# Altium PCB InsaneKeyboard.PcbDoc (part 4 of 4)
Units mil, origin at the board's own origin, x right, y up, seen from the top; angles counter-clockwise.
Board outline 7442.83 x 6333.68 mil, 4 copper layers (Top Layer, Int1 (GND), Int2 (GND), Bottom Layer), stack 60.6 mil thick; 288 components, 175 nets, 883 pads, 467 vias.
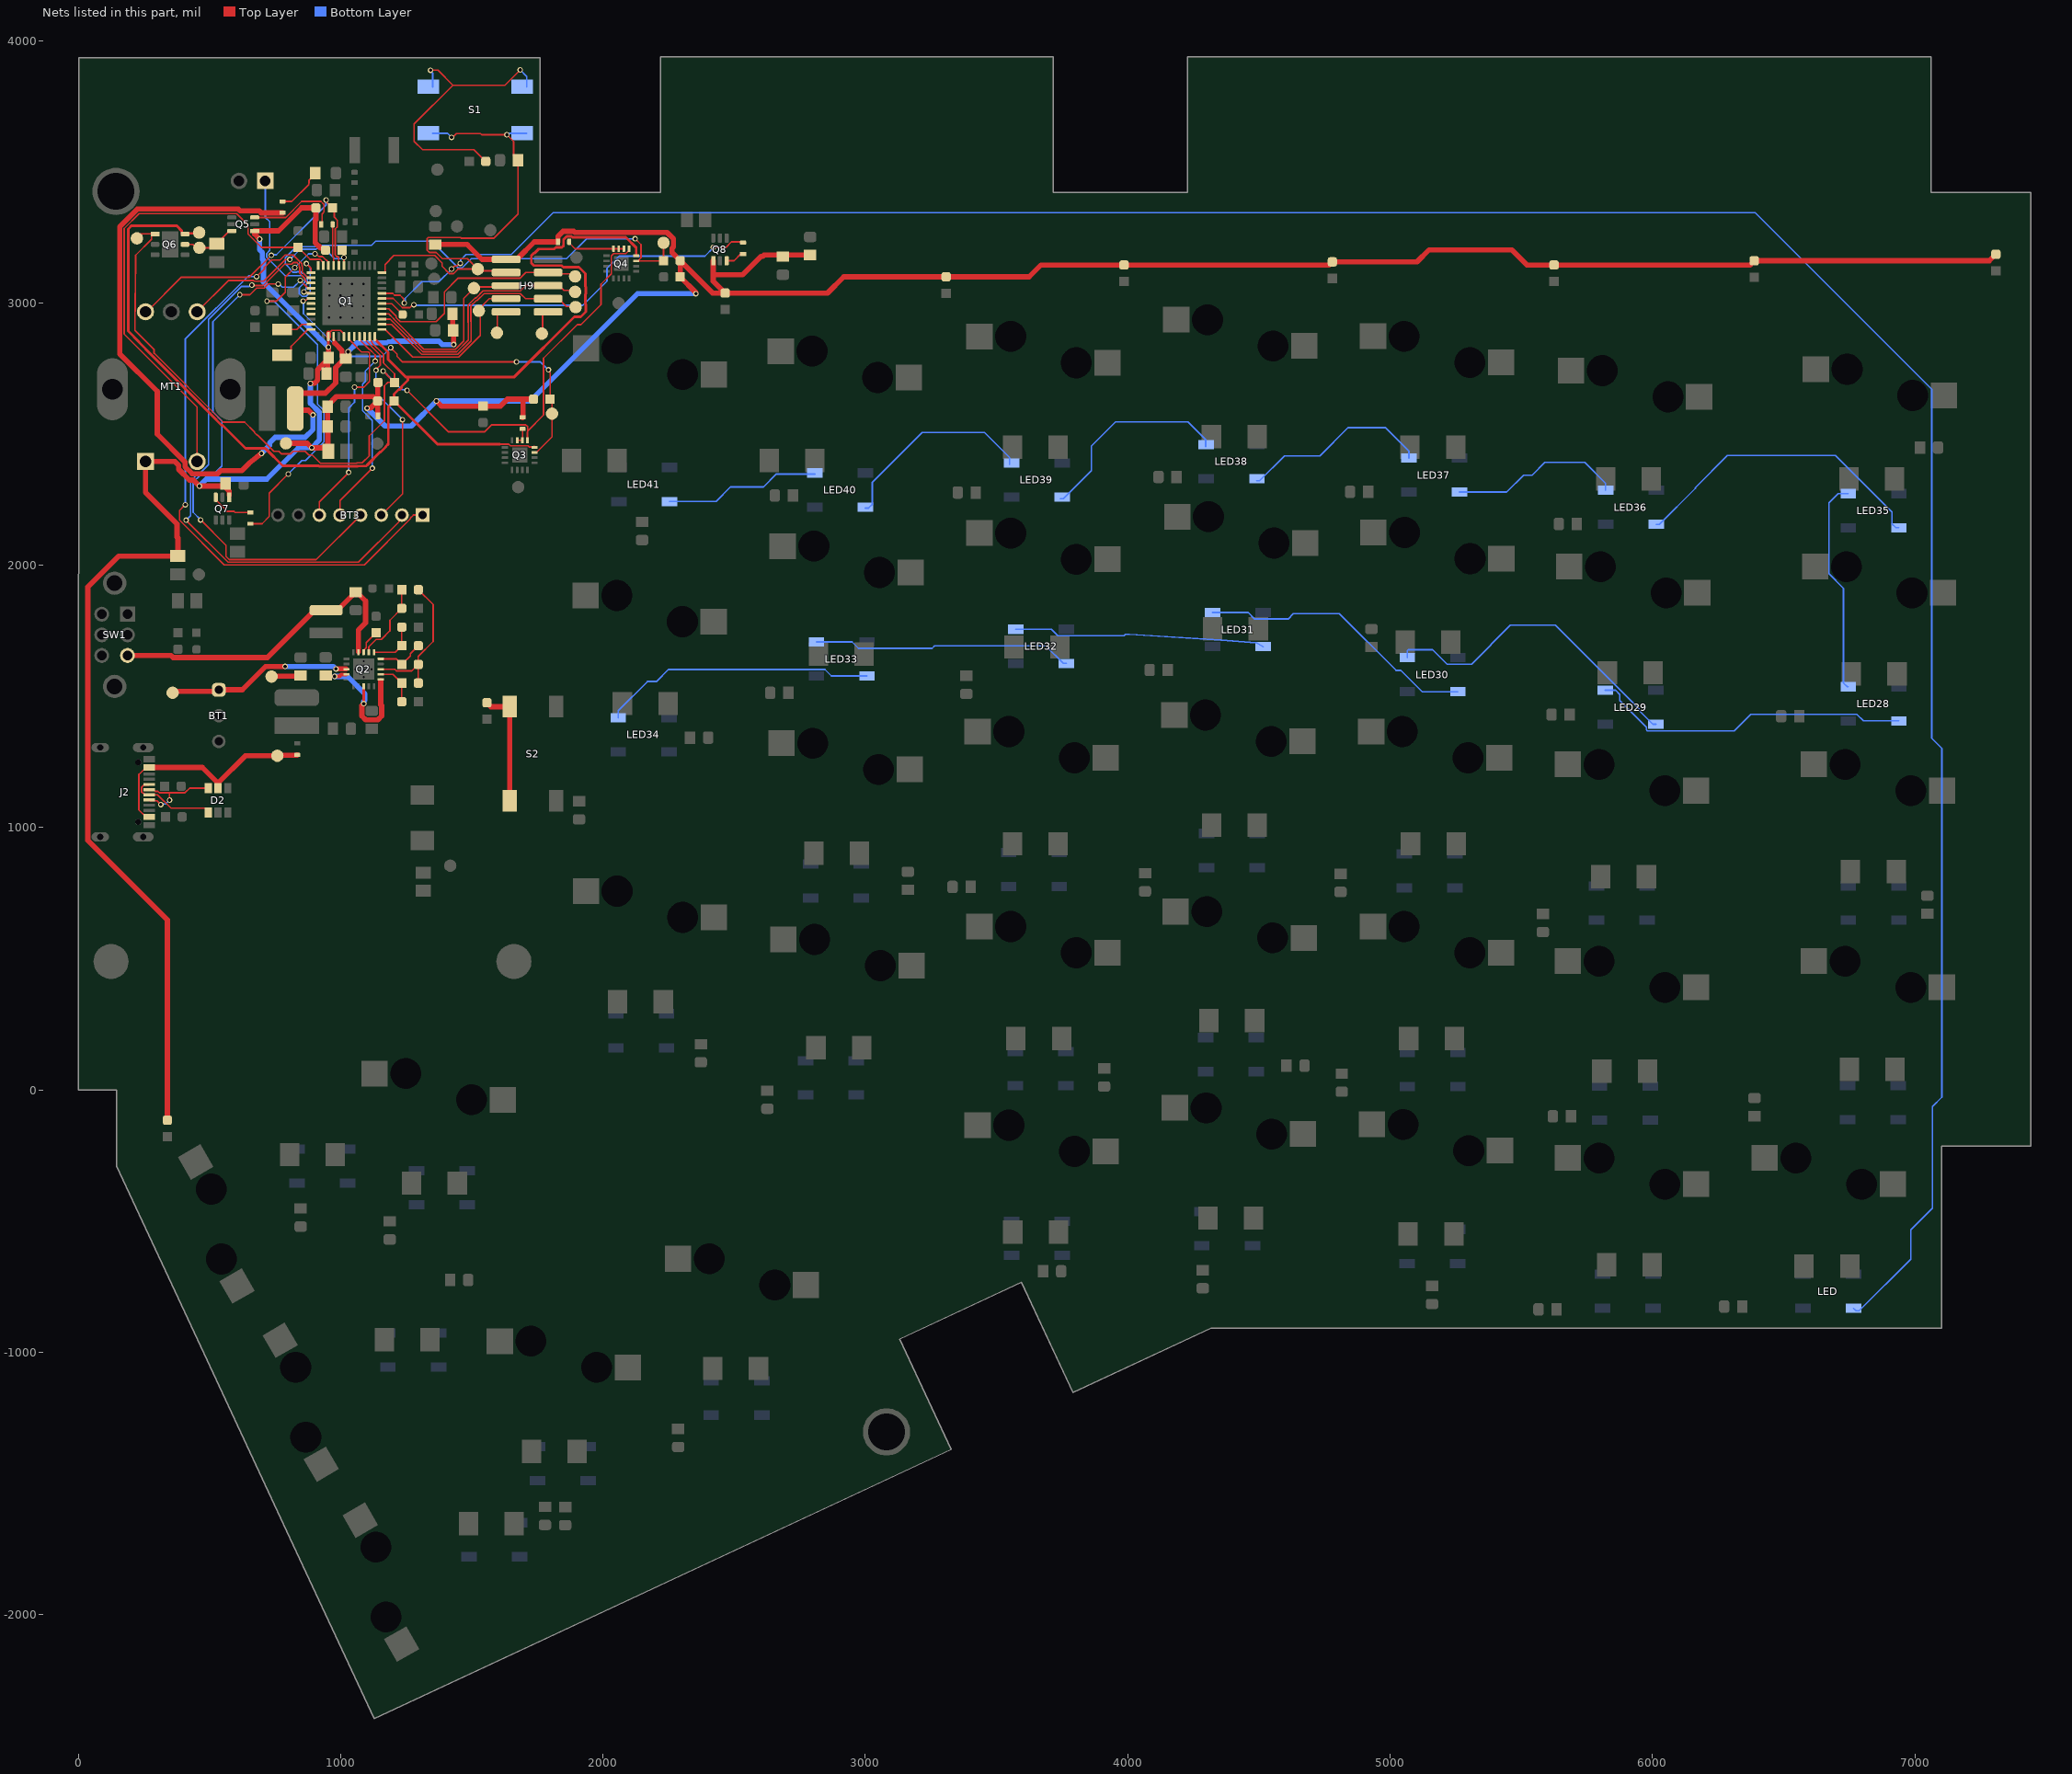
[diagram p6: the nets of this part, all layers, seen from the top]

## Via types
v1: diameter 21, hole 13, Top Layer to Bottom Layer, tented both sides, 292 vias
v2: diameter 21, hole 13, Top Layer to Bottom Layer, 174 vias
v3: diameter 23, hole 13, Top Layer to Bottom Layer, tented both sides, 1 vias

## Nets (pads, with @x,y where several pads share a name; then routed paths per layer and width w, separated by ;. In a path a pad name is that pad's centre, name@x,y a point inside that pad or via, vN(x,y) a via of type N, cw(c..) or ccw(c..) an arc to the next point about the centre after c; other vN are vias at no path point) (continued)
NetLED28_2-DOUT: LED28.2-DOUT LED35.4-DIN | length 821.8
  Bottom Layer w6: LED28.2-DOUT@6746.54,1536.96 6742.72,1536.96 6728,1551.68 6728,1912.58 6672.94,1967.64 6672.94,2237.89 6708.02,2272.96 LED35.4-DIN@6746.54,2272.96
NetLED28_4-DIN: LED28.4-DIN LED29.2-DOUT | length 1238.2
  Bottom Layer w6: LED29.2-DOUT@5820.54,1523.96 5859.07,1523.96 5875.52,1507.51 5875.52,1484.73 5976.93,1383.32 5976.93,1373.42 5981.03,1369.32 6312.24,1369.32 6374.68,1431.76 6778.97,1431.76 6803.69,1407.04 LED28.4-DIN@6939.46,1407.04
NetLED29_4-DIN: LED29.4-DIN LED30.2-DOUT | length 1220.1
  Bottom Layer w6: LED30.2-DOUT@5065.54,1647.96 5065.54,1674.68 5069.06,1678.19 5162.3,1678.19 5217.25,1623.24 5310.5,1623.24 5458.75,1771.5 5630.15,1771.5 5948.97,1452.68 5948.97,1446.71 6001.65,1394.04 LED29.4-DIN@6013.46,1394.04
NetLED30_4-DIN: LED30.4-DIN LED31.2-DOUT | length 1076.8
  Bottom Layer w6: LED31.2-DOUT@4323.54,1819.96 4459.31,1819.96 4484.03,1795.24 4611.5,1795.24 4631.75,1815.5 4806.92,1815.5 5023.18,1599.24 5041.48,1599.24 5122.69,1518.04 LED30.4-DIN@5258.46,1518.04
NetLED31_4-DIN: LED31.4-DIN LED32.2-DOUT | length 960.2
  Bottom Layer w6: LED32.2-DOUT@3573.54,1755.96 3709.31,1755.96 3734.03,1731.24 3986.5,1731.24 3991.75,1736.5 4006.25,1736.5 4355.97,1714.76 4489.93,1704.76 LED31.4-DIN@4516.46,1690.04
NetLED32_4-DIN: LED32.4-DIN LED33.2-DOUT | length 995.3
  Bottom Layer w6: LED33.2-DOUT@2813.54,1707.96 2949.31,1707.96 2974.03,1683.24 3254.5,1683.24 3264.75,1693.5 3687.19,1693.5 3754.65,1626.04 LED32.4-DIN@3766.46,1626.04
NetLED33_4-DIN: LED33.4-DIN LED34.2-DOUT | length 1049.9
  Bottom Layer w6: LED34.2-DOUT@2058.54,1418.96 2058.54,1445.68 2169.72,1556.86 2204.07,1556.86 2249.97,1602.76 2845.97,1602.76 2870.69,1578.04 LED33.4-DIN@3006.46,1578.04
NetLED35_2-DOUT: LED35.2-DOUT LED36.4-DIN | length 1176
  Bottom Layer w6: LED36.4-DIN@6014.46,2156.04 6026.27,2156.04 6163.52,2293.29 6163.52,2296.15 6286.05,2418.68 6696.97,2418.68 6912.93,2202.72 6912.93,2157.76 6927.65,2143.04 LED35.2-DOUT@6939.46,2143.04
NetLED36_2-DOUT: LED36.2-DOUT LED37.4-DIN | length 663.4
  Bottom Layer w6: LED37.4-DIN@5264.46,2279.04 5444.71,2279.04 5509.18,2343.5 5541.68,2343.5 5590.14,2391.96 5742.26,2391.96 5821.54,2312.68 LED36.2-DOUT@5821.54,2285.96
NetLED37_2-DOUT: LED37.2-DOUT LED38.4-DIN | length 728.8
  Bottom Layer w6: LED38.4-DIN@4490.46,2322.04 4502.27,2322.04 4597.27,2417.04 4732.54,2417.04 4840.46,2524.96 4982.26,2524.96 5071.54,2435.68 LED37.2-DOUT@5071.54,2408.96
NetLED38_2-DOUT: LED38.2-DOUT LED39.4-DIN | length 786.3
  Bottom Layer w6: LED39.4-DIN@3742.46,2254.04 3754.27,2254.04 3861.28,2361.05 3861.28,2454.67 3953.57,2546.96 4229.26,2546.96 4297.54,2478.68 LED38.2-DOUT@4297.54,2451.96
NetLED39_2-DOUT: LED39.2-DOUT LED40.4-DIN | length 783.6
  Bottom Layer w6: LED40.4-DIN@3000.46,2218.04 3012.27,2218.04 3026.98,2232.76 3026.98,2316.54 3216.41,2505.96 3454.26,2505.96 3549.54,2410.68 LED39.2-DOUT@3549.54,2383.96
NetLED40_2-DOUT: LED40.2-DOUT LED41.4-DIN | length 597.5
  Bottom Layer w6: LED41.4-DIN@2253.46,2243.04 2431.06,2243.04 2486.52,2298.5 2611.91,2298.5 2661.37,2347.96 LED40.2-DOUT@2807.54,2347.96
NetQ2_7: Q2.7 R11.1 R15.2 | length 165.4
  Top Layer w6: Q2.7@1152.96,1584.31 1200.17,1584.31 R11.1@1233.4,1551.08 R15.2@1233.4,1479.91
NetQ2_8: Q2.8 R2.2 R11.2 R12.2 | length 559.1
  Top Layer w6: Q2.8@1152.96,1604 1206.31,1604 1212.79,1597.53 1271.68,1597.53 R12.2@1296.39,1622.25 ; R11.2@1296.39,1551.08 R12.2@1296.39,1622.25 ; R2.2@1296.39,1906.91 1353,1850.31 1353,1709.87 1296.39,1653.27 R12.2@1296.39,1622.25
NetQ2_10: Q2.10 R12.1 R14.2 | length 186.5
  Top Layer w6: Q2.10@1152.96,1643.37 1212.28,1643.37 R12.1@1233.4,1622.25 1265.91,1654.76 1265.91,1662.93 R14.2@1296.39,1693.41
NetQ2_11: Q2.11 R14.1 R17.2 | length 187.3
  Top Layer w6: Q2.11@1127.37,1668.96 1208.95,1668.96 R14.1@1233.4,1693.41 R17.2@1233.4,1764.58
NetQ2_12: Q2.12 R2.1 R7.2 | length 301.7
  Top Layer w6: Q2.12@1107.68,1668.96 1107.68,1689.77 1135.7,1717.79 1155.62,1717.79 1188.17,1750.34 1188.17,1790.51 R7.2@1233.4,1835.74 R2.1@1233.4,1906.91
NetQ3_14: Q3.14 Q3.15 R27.2 | length 63.7
  Top Layer w6: Q3.15@1673.16,2476.5 Q3.14@1692.84,2476.5 1693.42,2477.08 1693.42,2519.42 R27.2@1694,2520
NetQ4_14: Q4.14 Q4.15 Q4.16 R28.2 | length 221.5
  Top Layer w6: R28.2@1871.65,3233 1871.65,3229.06 1894.22,3206.5 Q4.14@2079.84,3206.5
NetQ5_3: Q5.3 R29.1 | length 375.6
  Top Layer w6: Q5.3@672.31,3325.59 790.83,3325.59 851.95,3386.72 925.53,3386.72 937.22,3375.03 937.22,3346.57 929.35,3338.7 929.35,3302.91 929.35,3302 R29.1@926.35,3299
NetQ7_3: Q7.3 R333.1 | length 161.2
  Top Layer w6: Q7.3@524.41,2259.31 524.41,2249.46 568.09,2205.79 593.96,2205.79 598.09,2201.65 R333.1@656,2201.65
NetQ8_3: Q8.3 R37.1 | length 72.3
  Top Layer w6: Q8.3@2471.59,3160.69 2499.41,3160.69 2528.06,3189.35 R37.1@2532,3189.35
NetR6_2: R6.2 S1.1 S1.2 | length 1111.2
  Top Layer w6: v1(1343,3887) 1370.81,3887 1428.23,3829.58 ; R6.2@1553.5,3539 1508.67,3583.82 1312.66,3583.82 1280.53,3615.96 1280.53,3681.88 1428.23,3829.58 ; v1(1685,3888) 1626.58,3829.58 1428.23,3829.58
  Bottom Layer w6: v1(1343,3887) 1343,3882.94 1351.5,3874.44 S1.1@1351.5,3823.58 ; v1(1685,3888) 1709.77,3863.23 S1.2@1709.77,3823.58
NetR38_2: R38.2 S2.1 S2.2 | length 450.8
  Top Layer w20: R38.2@1558,1476 1572.87,1461.13 S2.1@1644.42,1461.13 S2.2@1644.42,1102.87
PAVDD: L4.1 R4.2 | length 180.6
  Top Layer w6: R4.2@779,3386.65 814.22,3386.65 878.46,3450.89 878.46,3454.89 879.46,3455.89 879.46,3466.89 903.63,3491.06 L4.1@903.63,3495
PTI_DATA: H9.10 TP12.1 | length 83.5
  Top Layer w6: TP12.1@1770,2897 1770,2954.82 1781.18,2966 H9.10@1791,2966
PTI_FRAME: H9.9 TP8.1 | length 107.9
  Top Layer w6: TP8.1@1596,2886 1597,2887 1597,2954.82 1608.18,2966 H9.9@1631,2966
RADIO_PA0: H3.1 Q1.25 | length 757.8
  Top Layer w6: v2(869.88,3149.91) 887.53,3132.26 Q1.25@887.53,3115.37
  Bottom Layer w6: H3.1@713,3465 713,3326.63 730,3309.63 730,3199.75 718.5,3188.25 718.5,3173.75 788.6,3103.65 853.61,3103.65 863.86,3093.4 863.86,3078.9 843.13,3058.17 843.13,3034.93 853.38,3024.68 868.68,3024.68 883.86,3039.86 883.86,3136.14 870.09,3149.91 v2(869.88,3149.91)
RADIO_PA1: BT3.1 Q1.26 | length 2448.2
  Top Layer w6: v2(408,2231) 386,2209 386,2172.25 556.73,2001.52 1090.34,2001.52 1266.6,2177.78 1266.6,2180.1 1277.84,2191.35 BT3.1@1312.59,2191.35 ; v2(679.87,3100.13) 710.12,3130.37 710.12,3136.12 737.5,3163.5 769.4,3163.5 788.65,3182.75 819.14,3182.75 852.38,3149.51 852.38,3142.66 854.5,3140.54 854.5,3116.9 873.6,3097.8 885.41,3097.8 Q1.26@887.53,3095.69
  Bottom Layer w6: v2(408,2231) 408,2861.89 649.11,3103 657.37,3103 660.25,3100.13 v2(679.87,3100.13)
RADIO_PA2: BT3.2 Q1.27 | length 2311.4
  Top Layer w6: v2(411,2172) 571.48,2011.52 1068.52,2011.52 1222.53,2165.53 1222.53,2167.71 1233.85,2179.04 BT3.2@1233.85,2191.35 ; v2(661.69,3067.69) 663.24,3066.13 705.1,3066.13 786.72,3147.75 814,3147.75 819.75,3153.5 834.25,3153.5 842.38,3145.37 842.38,3138.52 844.5,3136.4 844.5,3112.76 863.6,3093.66 863.6,3089.17 863.86,3088.9 863.86,3087.86 873.6,3078.12 875.72,3076 Q1.27@887.53,3076
  Bottom Layer w6: v2(411,2172) 428.06,2189.06 428.06,2320.95 460.61,2353.5 467.35,2353.5 497,2383.15 497,2936.75 623.19,3062.94 652.88,3062.94 657.63,3067.69 v2(661.69,3067.69)
RADIO_PA3: BT3.4 Q1.28 | length 2085
  Top Layer w6: v2(467,2173) 563.87,2076.13 563.87,2033.81 576.16,2021.52 906.54,2021.52 BT3.4@1076.37,2191.35 ; v2(616,3031) 654.6,3031 679.73,3056.13 709.24,3056.13 725.18,3072.07 v2(762.37,3072.07) ; v2(846.36,3086.15) 846.36,3085.67 873.6,3058.43 885.41,3058.43 Q1.28@887.53,3056.31
  Bottom Layer w6: v2(467,2173) 438.06,2201.94 438.06,2316.81 464.75,2343.5 479.49,2343.5 480.99,2345 514.75,2345 547.5,2377.75 547.5,2550.44 513.35,2584.58 513.35,2928.35 v2(616,3031) ; v2(762.37,3072.07) 765.82,3072.07 777.88,3060 820.75,3060 846.36,3085.61 v2(846.36,3086.15)
RADIO_PA4: Q1.29 Q4.11 R30.1 TP24.1 | length 1942.6
  Top Layer w6: v1(860.63,3042.18) 864.69,3042.18 868.12,3038.75 885.41,3038.75 Q1.29@887.53,3036.63 ; v1(2123,3244.31) 2145.31,3222 2145.31,3171.96 Q4.11@2133.19,3159.84 ; Q4.11@2126.5,3159.84 Q4.11@2133.19,3159.84 ; TP24.1@2231,3229 2231,3161.5 R30.1@2231.5,3161 2230.35,3159.84 Q4.11@2133.19,3159.84
  Bottom Layer w6: v1(860.63,3042.18) 860.63,3044.94 868.88,3053.19 868.88,3069.77 873.86,3074.76 873.86,3097.54 857.75,3113.65 853.1,3113.65 848.25,3118.5 834.17,3118.5 832.61,3116.94 818.11,3116.94 807.86,3127.19 807.86,3130.39 789.25,3149 789.25,3172.5 831.49,3214.74 903.1,3214.74 907.86,3219.5 1118.25,3219.5 1133.75,3235 1347.25,3235 1448.75,3133.5 1463.25,3133.5 1498.25,3168.5 1861.25,3168.5 1937.06,3244.31 v1(2123,3244.31)
RADIO_PA5: Q1.30 Q3.11 R26.1 TP23.1 | length 1488.6
  Top Layer w6: v1(857.77,3007.18) 860.64,3010.05 868.82,3010.05 875.72,3016.94 Q1.30@887.53,3016.94 ; v1(1191.29,2829.29) 1215.58,2805 1215.58,2796.42 1237,2775 v1(1671,2775) ; Q3.11@1739.5,2429.84 1746.19,2429.84 1806,2489.65 1806,2625.5 R26.1@1798.5,2633 1798.5,2734.44 1792,2740.94 v1(1792,2745)
  Bottom Layer w6: v1(857.77,3007.18) 858.74,3006.2 858.74,2959.51 1021.75,2796.5 1158.5,2796.5 v1(1191.29,2829.29) ; v1(1671,2775) 1762,2775 v1(1792,2745)
RADIO_PB11: Q1.31
RADIO_PB12: Q1.32
RADIO_PB13: Q1.33
RADIO_PB14: Q1.35 X2.2 | length 118.5
  Top Layer w6: X2.2@777,2899.21 832.85,2899.21 852.15,2918.52 Q1.35@887.53,2918.52
RADIO_PB15: Q1.36 X2.1 | length 160
  Top Layer w6: X2.1@777,2800.79 792.75,2800.79 811.4,2819.44 811.4,2834.52 873.6,2896.72 875.72,2898.83 Q1.36@887.53,2898.83
RADIO_PC6: BT3.6 Q1.43 | length 817.3
  Top Layer w6: BT3.6@918.89,2191.35 918.89,2241.89 v2(1031,2354) ; Q1.43@1032.61,2860.05 1034.72,2857.94 1079.53,2813.13 1106.52,2813.13 1110.62,2809.03 1110.62,2700.73 1088.89,2679 v2(1053,2679)
  Bottom Layer w6: v2(1031,2354) 1031,2598.87 1053,2620.87 v2(1053,2679)
RADIO_PC7: Q1.44
RADIO_PC8: BT3.5 Q1.45 | length 781.4
  Top Layer w6: BT3.5@997.63,2191.35 997.63,2246.63 v2(1121,2370) ; Q1.45@1071.98,2860.05 1074.09,2857.94 1108.9,2823.13 1110.66,2823.13 1132.12,2801.67 v2(1132.12,2778.23)
  Bottom Layer w6: v2(1121,2370) 1121,2551.77 1083.5,2589.27 1083.5,2690.62 1094,2701.12 1094,2740.11 v2(1132.12,2778.23)
RADIO_PC9: BT3.3 Q1.46 | length 775.8
  Top Layer w6: Q1.46@1091.66,2860.05 1151.62,2800.09 1151.62,2762.44 1135,2745.82 v2(1135,2743) ; BT3.3@1155.11,2191.35 1236,2272.24 v2(1236,2555)
  Bottom Layer w6: v2(1135,2743) 1135,2656 v2(1236,2555)
RADIO_PC10: Q1.47 Q3.13 Q4.13 Q6.1 R32.1 TP34.1 | length 3803.9
  Top Layer w6: TP34.1@216.82,3263.19 292.1,3263.19 Q6.1@292.91,3262.37 ; Q6.1@285.04,3262.37 279.18,3256.51 279.18,3242.16 218.85,3181.83 216.52,2895.82 288.87,2823.47 288.87,2809.06 289.04,2808.9 552.05,2545.89 634.41,2545.89 672.5,2507.8 672.5,2505.31 682.46,2495.35 684.95,2495.35 745.92,2434.38 765.17,2434.38 775.17,2424.38 808.83,2424.38 818.83,2434.38 864.73,2434.38 878.61,2420.5 892.04,2420.5 923.48,2389.06 1060.82,2389.06 1062.82,2391.06 1083.06,2391.06 1084,2392 1107.6,2415.2 1109.38,2416.98 1109.38,2493.13 1167.22,2550.97 1167.22,2684 1180.22,2697 R32.1@1205.5,2697 ; Q1.47@1111.35,2860.05 1113.46,2857.94 1121.16,2850.24 1121.16,2846.58 1163.62,2804.12 1163.62,2771.48 1205.5,2729.6 R32.1@1205.5,2697 ; v1(1162.5,2740.5) 1190.78,2711.72 R32.1@1205.5,2697 ; v1(1253.5,2666.5) 1411.5,2508.5 1548.14,2508.5 1574.51,2534.87 1706.4,2534.87 1712.81,2528.47 1712.81,2511.5 ; Q3.13@1712.53,2476.5 1712.53,2506.75 1712.81,2507.03 1712.81,2511.5 ; Q4.13@2099.53,3206.5 2099.53,3199.8 2087.41,3187.68 2040.7,3187.68 2032.32,3179.3 2032.32,3111.43 1992.5,3071.61 1992.5,2993.25 1916.71,2917.46 1902.07,2917.46 1773.78,2789.17 1773.78,2572.47 1712.81,2511.5
  Bottom Layer w6: v1(1162.5,2740.5) 1234,2669 1251,2669 v1(1253.5,2666.5)
RADIO_PC11: Q1.48 Q3.12 Q4.12 Q6.6 R31.1 TP33.1 | length 4695
  Top Layer w6: 1607,2461 1611.15,2461 1611.79,2461.65 1641.21,2461.65 1647.32,2455.54 1714.44,2455.54 1718.68,2451.3 Q3.12@1737.72,2451.3
  Top Layer w10: Q6.6@407.09,3262.37 399.21,3262.37 395.35,3266.23 395.35,3274.1 374.84,3294.62 203.32,3294.62 191,3282.31 191,2896.94 191,2892.8 276.87,2804.09 509.34,2571.63 547.08,2533.89 549.91,2533.89 634.87,2448.93 637.8,2446 712.89,2446 715.82,2443.07 779.82,2379.06 916.51,2379.06 918.51,2377.06 1065.79,2377.06 1098.37,2379.06 1101.3,2381.99 1150.68,2431.38 1153.51,2431.38 1172.62,2450.49 1172.62,2453.32 1182,2462.69 1182,2603.5 R31.1@1204.5,2626 ; Q6.6@407.09,3265.19 458.18,3265.19 TP33.1@461,3268 ; Q1.48@1131.03,2860.05 1131.15,2859.94 1133.06,2859.94 1181.12,2811.88 1181.12,2784.88 1247.97,2718.03 1257,2718.03 ; 1607,2461 1369.5,2461 R31.1@1204.5,2626 ; Q3.12@1737.72,2451.3 Q3.12@1739.5,2449.53 ; Q4.12@2126.5,3179.53 2126.5,3210.5 2087.19,3249.81 1884.95,3249.81 1880.95,3253.81 1862.36,3253.81 1849.74,3241.19 1849.74,3218.05 1843.88,3212.19 1820.74,3212.19 1814.05,3205.5 1755.35,3205.5 1739.35,3189.5 1736.52,3189.5 1727,3179.98 1727,3152.02 1736.52,3142.5 1842.48,3142.5 1848.98,3136 1908,3136 1932.62,3111.38 1932.62,3063.51 1934.62,3061.51 1934.62,3034.49 1932.62,3032.49 1932.62,2995.51 1934.62,2993.51 1934.62,2966.49 1915.51,2947.38 1891.38,2947.38 1662.03,2718.03 1257,2718.03 ; R31.1@1204.5,2626 1204.5,2652.72 1222.06,2670.28 1226.94,2670.28 1232.21,2675.56 1232.21,2680.43 1257,2705.22 1257,2718.03
RADIO_PD10: MT1.B Q1.19 R36.1 | length 745.3
  Top Layer w6: MT1.B@453.42,2966.28 572.34,3085.19 668.93,3085.19 671.49,3082.63 707.45,3082.63 790.08,3165.25 v1(806.75,3165.25) ; R36.1@1005.72,3201.61 1006.32,3201 1012.5,3201 1013,3200.5 v1(1013,3173) v1(1013,3173) 1012.96,3142.38 Q1.19@1012.92,3142.34
  Bottom Layer w6: v1(806.75,3165.25) 846.24,3204.74 907.24,3204.74 910.13,3207.62 938.22,3207.62 976.84,3169 1004.94,3169 1008.94,3173 v1(1013,3173)
RADIO_PD11: MT1.A Q1.20 R33.1 | length 1155.1
  Top Layer w6: MT1.A@256.57,2966.28 261.58,2966.28 393.31,3098 653,3098 v1(736,3181) ; v1(945,3392) 947.87,3389.13 947.87,3382.85 976.5,3354.22 976.5,3326.35 988.01,3314.83 988.01,3290.02 979.53,3281.54 979.53,3182.47 985.1,3176.89 989.72,3176.89 993.24,3173.38 Q1.20@993.24,3142.34
  Bottom Layer w6: v1(736,3181) 738.75,3183.75 755.5,3183.75 944.25,3372.5 944.25,3391.25 v1(945,3392)
RADIO_PD12: Q1.21 R29.2 | length 158.4
  Top Layer w6: R29.2@969.65,3299 969.53,3298.87 969.53,3178.32 973.55,3174.3 Q1.21@973.55,3142.34
RADIO_PD13: Q1.22 R333.2 | length 1476.5
  Top Layer w6: R333.2@656,2158.35 700.81,2158.35 728.66,2186.2 728.66,2275.44 v2(801.11,2347.89) ; v2(719.4,3006.24) 754.23,3006.24 789.38,3041.38 789.38,3098.38 v2(825.36,3134.44) v2(825.36,3134.44) ; v2(902.88,3187.24) 906.93,3187.24 917.77,3176.4 931.62,3176.4 953.87,3154.15 Q1.22@953.87,3142.34
  Bottom Layer w6: v2(719.4,3006.24) 747.1,3006.24 912.5,2840.83 912.5,2614.19 936.5,2590.19 936.5,2470.46 912.5,2446.46 912.5,2445.75 866.02,2399.27 852.49,2399.27 v2(801.11,2347.89) ; v2(825.36,3134.44) v2(825.36,3134.44) 878.24,3187.24 v2(902.88,3187.24) v2@905.49,3184.62
RADIO_PD14: MT1.2 Q1.23 R3.1 | length 1894.9
  Top Layer w6: MT1.2@453.42,2395.41 453.42,2603.58 175.38,2881.62 175.38,3283.65 232.19,3340.46 604,3340.46 647.59,3296.88 647.59,3262.45 698.54,3211.5 R3.1@838,3211.5 883.11,3166.4 921.93,3166.4 932.06,3156.27 932.06,3144.46 Q1.23@934.18,3142.34
RADIO_PD15: Q1.24
RADIO_PF0: H9.7 Q1.1 TP7.1 | length 663.6
  Top Layer w6: Q1.1@1169.81,2898.83 1171.93,2896.72 1274.7,2793.94 1450.73,2793.94 1533,2876.22 1533,2964 TP7.1@1527,2970 1527,2976 1567,3016 H9.7@1631,3016
RADIO_PF1: H9.8 Q1.2 TP11.1 | length 976.2
  Top Layer w6: Q1.2@1158,2918.52 1194.77,2918.52 1309.35,2803.94 1446.58,2803.94 1497.11,2854.47 1497.11,2928.99 1496.38,2929.73 1496.38,2987.68 1517.61,3008.91 1520.61,3008.91 1547.69,3036 1685.09,3036 1705.09,3016 1831.5,3016 1860.89,2986.61 1887.39,2986.61 TP11.1@1890,2984
RADIO_PF2: H9.6 Q1.3 TP13.1 | length 986.4
  Top Layer w6: Q1.3@1158,2938.2 1189.23,2938.2 1313.49,2813.94 1442.44,2813.94 1487.11,2858.61 1487.11,2924.85 1486.38,2925.59 1486.38,2991.83 1513.46,3018.91 1516.46,3018.91 1543.55,3046 1685.09,3046 1705.09,3066 1832.98,3066 1850.98,3048 TP13.1@1902,3048
RADIO_PF3: H9.5 Q1.4 TP10.1 | length 723.8
  Top Layer w6: Q1.4@1158,2957.89 1183.93,2957.89 1202.01,2939.81 1202.01,2939.56 1317.64,2823.94 1438.3,2823.94 1469.31,2854.96 1469.31,3017.04 1513.27,3061 1626,3061 H9.5@1631,3066
RADIO_PF4: H9.4 Q1.5 TP9.1 | length 894.7
  Top Layer w6: Q1.5@1158,2977.57 1183.93,2977.57 1212.01,2949.49 1212.01,2943.71 1227.34,2928.38 1364.45,2928.38 1395.76,2959.69 1395.76,3041.76 1448.51,3094.5 1684.65,3094.5 1706.15,3116 H9.4@1791,3116 1796,3111 TP9.1@1894,3111 ; TP9.1@1905,3112 TP9.1@1910,3107
RADIO_PF5: LED2.A Q1.6 | length 95.6
  Top Layer w6: Q1.6@1158,2997.26 1195.24,2997.26 LED2.A@1236.5,2956
RADIO_PF6: Q1.7 R37.2 | length 1523.1
  Top Layer w6: Q1.7@1158,3016.94 1200.41,3016.94 1235.41,2981.94 1263.89,2981.94 1274.94,2993 v2(1279,2993) ; v2(2421,3211) 2468.47,3211 2490.12,3232.65 R37.2@2532,3232.65
  Bottom Layer w6: v2(1279,2993) 1280.98,2991.02 1923.77,2991.02 2015.35,3082.6 2015.35,3132.35 2061.5,3178.5 2388.5,3178.5 v2(2421,3211)
RADIO_PF7: LED.4-DIN Q1.8 | length 10050.3
  Top Layer w6: Q1.8@1158,3036.63 1198.71,3036.63 1205.97,3029.38 1226.65,3029.38 1240.13,3015.89 1240.13,3002.31 v2(1243,2999.44) ; v2(1422.96,3128.96) 1435,3141 1443.02,3141 1453.02,3151 v2(1456,3151)
  Bottom Layer w6: v2(1243,2999.44) 1245.87,3002.31 1245.87,3016.87 1310,3081 1375,3081 v2(1422.96,3128.96) ; v2(1456,3151) 1458.29,3153.29 1458.29,3164.29 1478,3184 1651,3184 1810.5,3343.5 6391.74,3343.5 7064.5,2670.74 7064.5,1341.18 7103.36,1302.32 7103.36,-27.24 7067.48,-63.12 7067.48,-449.75 6984.62,-532.61 6984.62,-644.61 6787.77,-841.46 6775.96,-841.46 LED.4-DIN@6766.46,-831.96
RESET: C14.1 H9.3 Q1.12 S1.3 S1.4 TP6.1 | length 1914
  Top Layer w6: Q1.12@1158,3115.37 1167.25,3115.37 1169.37,3117.49 1169.37,3146.26 1203.73,3180.62 1358.68,3180.62 1387.2,3152.11 1387.2,3139.97 1415.71,3111.46 1430.21,3111.46 1447.75,3129 TP6.1@1523,3129 ; v1(1423,3631) 1427.06,3631 1441.48,3645.42 1533.5,3645.42 1537.92,3641 v1(1634,3641) 1659.76,3615.24 1659.76,3560.69 C14.1@1676.45,3544 1676.45,3339.14 1583.68,3246.38 1460.51,3246.38 1457.65,3249.24 1334.48,3249.24 1330.38,3245.14 1330.38,3199.97 1337.72,3192.62 1363.65,3192.62 1387.78,3168.5 1483.5,3168.5 TP6.1@1523,3129 ; H9.3@1631,3116 1624.5,3122.5 1529.5,3122.5 TP6.1@1523,3129
  Bottom Layer w6: S1.3@1351.5,3646.42 1407.58,3646.42 v1(1423,3631) ; v1(1634,3641) 1638.06,3641 1643.48,3646.42 S1.4@1709.77,3646.42
TEMP_LOAD_SW: C28.1 Q5.6 Q6.5 TP27.1 | length 210.7
  Top Layer w6: Q6.5@407.09,3223 437.84,3223 450.84,3210 511.44,3210 575.85,3274.41 Q5.6@585.69,3274.41
USB_D_N: D2.1 J2.A7 J2.B7 | length 341.7
  Top Layer w6: J2.B7@271,1164.69 268.09,1161.78 249.53,1161.78 241.56,1153.8 241.56,1136.2 245.66,1132.1 247.69,1132.1 251.56,1128.22 254.46,1125.32 302.86,1125.32 354.1,1074.08 484.81,1074.08 495.59,1063.3 D2.1@495.59,1057.39
USB_D_P: D2.6 J2.A6 J2.B6 | length 356.2
  Top Layer w6: J2.B6@271,1105.63 273.91,1102.72 300.28,1102.72 v2(315,1088) ; J2.A6@271,1145 287.54,1145 294.31,1138.22 304.1,1138.22 308.88,1133.44 348,1133.44 ; v2(348,1105) 348,1133.44 ; D2.6@495.59,1150.4 424.88,1150.4 407.91,1133.44 348,1133.44
  Bottom Layer w6: v2(315,1088) 317,1090 333,1090 v2(348,1105)
USB_VCC: D2.5 J2.A4_B9 J2.B4_A9 R13.2 TP16.1 | length 904.3
  Top Layer w6: J2.B4_A9@271,1040.67 258.34,1040.67 231.56,1067.46 231.56,1202.86 258.34,1229.65 J2.A4_B9@271,1229.65 ; D2.5@532.99,1169.53 D2.5@532.99,1150.4 539.57,1156.98 D2.5@539.57,1162.95
  Top Layer w20: J2.A4_B9@271,1229.65 472.88,1229.65 532.99,1169.53 637.46,1274 TP16.1@759,1274 760.74,1275.73 833.12,1275.73 R13.2@834.86,1277.47
VBAT: BT1.1 Q2.18 TP18.1 | length 706.9
  Top Layer w20: TP18.1@360,1514 365.21,1519.21 529.79,1519.21 BT1.1@536,1525.43 625.36,1525.43 714.55,1614.62 v1(788.38,1614.62) ; v1(982.45,1604.96) Q2.18@1021.23,1604.96
  Bottom Layer w20: v1(788.38,1614.62) 972.52,1614.62 982.18,1604.96 v1(982.45,1604.96)
VBAT_OK: Q2.13 R18.1 | length 93
  Top Layer w6: Q2.13@1088,1668.96 1088,1676.05 1089.72,1677.77 1097.68,1685.73 1097.68,1705.19 R18.1@1135,1742.5
VDCDC: C6.1 C9.1 L3.1 L5.2 Q1.40 R4.1 | length 3377.2
  Top Layer w10: Q1.40@974.12,2864.94 974.12,2850.64 977.93,2846.82
  Top Layer w20: v1(698.57,2426.5) 651.18,2388.18 639.47,2376.47 623.5,2360.5 543.57,2360.5 532,2348.93 434.17,2348.93 406.94,2376.16 406.94,2394.06 301.22,2499.78 301.22,2662.74 158.38,2805.58 158.38,3290.7 225.15,3357.46 611.04,3357.46 618.04,3350.46 690.52,3350.46 697.63,3343.35 R4.1@779,3343.35 ; v1(895,2573) 877.08,2590.92 833.38,2590.92 L5.2@827.3,2597 827.3,2634.84 848.36,2655.9 941.9,2655.9 981.13,2695.13 981.13,2753.52 1015.06,2787.45 C9.1@1022.94,2787.45 ; 977.93,2846.82 1005.38,2819.38 1005.38,2797.13 1013.06,2789.45 C9.1@1017,2789.45 ; C9.1@1023.94,2787.45 1028.81,2792.32 1028.81,2813.81 v1(1029,2814) ; L3.1@1426.37,2959 1427.91,2957.46 1427.91,2897.54 C6.1@1429.45,2896 ; C6.1@1428.43,2897.01 1431.05,2894.4 v1(1431.05,2841.44)
  Bottom Layer w17: 1175.35,2848 1177.47,2848 1181.76,2852.29 1198.65,2852.29 1198.65,2853.79
  Bottom Layer w20: v1(698.57,2426.5) 729.74,2457.67 729.74,2466.74 751,2488 865,2488 895,2518 v1(895,2573) ; v1(1029,2814) 1063,2848 1175.35,2848 ; 1198.65,2853.79 1374.76,2853.79 1387.11,2841.44 v1(1431.05,2841.44)
VMCU: C7.1 C8.1 C13.1 C20.1 C21.1 C24.2 C25.1 C26.1 C29.1 C69.1 H9.1 L6.1 MT1.1 Q1.39 Q1.42 Q5.1 Q7.1 Q8.1 R16.2 R19.2 R20.2 R21.2 R22.2 R23.2 R24.2 R25.2 R26.2 R27.1 R28.1 R30.2 R31.2 R32.2 R33.2 R34.1 R35.1 R36.2 TP21.1 | length 15124.5
  Top Layer w6: Q1.39@953.87,2883.68 965.98,2895.8 999.75,2895.8 1012.35,2883.2 Q1.42@1012.35,2878.8
  Top Layer w10: v1@953.93,2831.07 Q1.39@953.93,2871.8
  Top Layer w20: R25.2@340,-115 340,648.27 36.53,951.74 36.53,1917.08 154.45,2035 C24.2@380,2035 380,2103.87 376.5,2107.37 376.5,2157.71 256.57,2277.64 MT1.1@256.57,2395.41 368.62,2395.41 382.94,2381.09 382.94,2366.22 424.23,2324.93 439.1,2324.93 v1(462.03,2302) 551.87,2302.02 561.55,2311.71 C69.1@561.55,2312 ; C69.1@561.55,2296.69 575.59,2282.65 Q7.1@575.59,2267.02 ; Q5.1@672.31,3274.41 763.69,3274.41 851.28,3362 R33.2@905.72,3362 905.72,3317.86 903.63,3315.77 903.63,3229.34 924.26,3208.72 935.62,3208.72 R36.2@942.72,3201.61 ; Q5.1@672.81,3272.28 672.81,3261.98 v1(691.6,3243.19) ; TP21.1@792,2465 872.73,2465 889.92,2447.81 940.55,2447.81 C25.1@953.35,2435 ; v2(885,2692.88) 885.27,2692.88 885.77,2693.38 900.28,2693.38 912,2705.09 912,2744.61 C13.1@950.45,2783.06 ; C8.1@946.45,2731 950.45,2735 C13.1@950.45,2783.06 ; C25.1@951.95,2442.5 951.95,2527.6 C21.1@950.55,2529 950.55,2608.94 984.24,2642.62 1124.88,2642.62 R31.2@1141.5,2626 ; Q1.39@953.87,2883.68 Q1.39@953.87,2871.87 Q1.39@953.93,2871.8 ; v1@953.93,2831.07 954.19,2830.81 954.19,2791.26 C13.1@954.45,2791 950.45,2787 C13.1@950.45,2783.06 ; v2(1101,2599) 1101.19,2599.19 1114.7,2599.19 R31.2@1141.5,2626 ; L6.1@1142.09,2571.6 1142.09,2625.41 R31.2@1141.5,2626 ; R32.2@1142.5,2697 1142,2696.5 1142,2626.5 R31.2@1141.5,2626 ; C7.1@1361,3222.55 1482.65,3222.55 1539.21,3166 H9.1@1631,3166 1635.5,3170.5 1676,3170.5 1738.5,3233 R28.1@1826.22,3233 ; v2(1365,2626) 1384.5,2606.5 1609.73,2606.5 1636.24,2633 1695.25,2633 ; R27.1@1694,2563.31 1695.25,2564.56 1695.25,2633 ; R26.2@1735.5,2633 1695.25,2633 ; R28.1@1828.35,3233 1828.35,3252.87 1848.28,3272.81 1888.82,3272.81 1892.82,3268.81 2244.39,3268.81 2268.62,3244.58 2268.62,3213.42 2263.64,3208.43 2263.64,3191.86 R30.2@2294.5,3161 R34.1@2294.5,3099 2354.31,3039.19 2354.31,3035.19 v2(2354.5,3035) ; R30.2@2295,3160.5 2418,3037.5 R24.2@2466,3037.5 ; Q8.1@2420.41,3160.69 2420.41,3107 ; C26.1@2790,3182.55 2614.34,3182.55 2609.34,3177.55 2602.38,3177.55 2531.83,3107 2477.96,3107 2420.41,3107 ; R16.2@7309,3185.5 7284,3160.5 R19.2@6388,3160.5 6372,3144.5 R20.2@5625,3144.5 5521.72,3144.5 5463.74,3202.48 5148.72,3202.48 5102.73,3156.5 R21.2@4780,3156.5 4768,3144.5 R22.2@3986,3144.5 3669.5,3144.5 3624.5,3099.5 R23.2@3308,3099.5 2918,3099.5 2856,3037.5 R24.2@2466,3037.5 ; 2420.41,3107 2420.41,3083.09 R24.2@2466,3037.5
  Bottom Layer w20: v1(462.03,2302) 488.03,2328 719,2328 839,2448 v1(890,2448) 919.5,2477.5 919.5,2583.15 885,2617.65 v2(885,2692.88) ; v1(691.6,3243.19) 691.6,3202.59 701.5,3192.69 701.5,3166.71 706,3162.21 706,3079 v1(954,2831) ; v2(1101,2599) 1101.27,2599 1169.77,2530.5 1269.5,2530.5 v2(1365,2626) 1722.65,2626 2131.65,3035 v2(2354.5,3035)
VOUT: C19.1 L7.2 Q2.14 SW1.3 | length 1233.8
  Top Layer w20: SW1.3@188.21,1656.26 188.36,1656.11 353.85,1656.11 361.67,1648.28 720.98,1648.28 901.69,1829 L7.2@945,1829 988.31,1829 1044.38,1885.07 1044.38,1887.76 1054.06,1897.45 C19.1@1058,1897.45 1061.94,1897.45 1095.62,1863.76 1095.62,1780.92 1068.31,1753.61 Q2.14@1068.31,1670.77
VSTOR: C15.1 C16.1 Q2.3 Q2.6 Q2.19 TP17.1 | length 679.2
  Top Layer w10: v2@1088,1472.23 Q2.3@1088,1537.23
  Top Layer w15.21: v2(977.13,1576.54) 995.77,1576.54 1002.59,1583.35 Q2.19@1021.23,1583.35
  Top Layer w20: TP17.1@737,1576 738.78,1577.78 846.22,1577.78 C15.1@848,1579.55 ; v2@1088,1472.23 1081.38,1465.6 1081.38,1425.73 1096.11,1411 1141.89,1411 1156.62,1425.73 1156.62,1465.17 1152.96,1468.83 1152.96,1559.35
  Bottom Layer w20: v2(977.13,1576.54) 977.33,1576.35 1026.65,1576.35 1093,1510 1093,1485.85 1088.19,1481.04 1088.19,1472.69 v2(1088,1472.5)
pads on no net: BT1.2 D2.3 D2.4 H3.2 J2. J2.A8 J2.B8 LED41.2-DOUT Q1.13 Q3.17 Q4.17 Q5.4 Q5.5 Q6. Q6.3 Q6.4 Q7.4 Q7.5 Q8.4 Q8.5 SW1.1 SW1.4 SW1.5 SW1.6 SW1.S1 SW1.S2 SW2.4 SW2.5 SW3.4 SW3.5 SW4.4 SW4.5 SW5.4 SW5.5 SW6.4 SW6.5 SW7.4 SW7.5 SW8.4 SW8.5 SW9.4 SW9.5 SW10.4 SW10.5 SW11.4 SW11.5 SW12.4 SW12.5 SW13.4 SW13.5 SW14.4 SW14.5 SW15.4 SW15.5 SW16.4 SW16.5 SW17.4 SW17.5 SW18.4 SW18.5 SW19.4 SW19.5 SW20.4 SW20.5 SW21.4 SW21.5 SW22.4 SW22.5 SW23.4 SW23.5 SW24.4 SW24.5 SW25.4 SW25.5 SW26.4 SW26.5 SW27.4 SW27.5 SW28.4 SW28.5 SW29.4 SW29.5 SW30.4 SW30.5 SW31.4 SW31.5 SW32.4 SW32.5 SW33.4 SW33.5 SW34.4 SW34.5 SW35.4 SW35.5 SW36.4 SW36.5 SW37.4 SW37.5 SW38.4 SW38.5 SW39.4 SW39.5 TP15.

## Polygon pours and split planes (outlines as drawn)
GND on Top Layer "GND_L01_P006" (solid, remove dead copper, pour order 6): 22,3582 1766,3582 1766,3415 1771.22,3420.22 2219,3420.22 2219,3355 2219,2923 22,2923
GND on Top Layer "GND_L01_P005" (solid, pour order 5): 1028,1799 1028,1853 1088,1853 1090,1855 1090,1725 1053,1688 1053,1660 1054,1659 1173,1620 1060,1620 1043,1637 1043,1680 1044,1681 1034,1691 1034,1694 1032,1694 1029,1697
NetC17_1 on Top Layer "NETC17_1_L01_P004" (solid, pour order 4): 706,1420 707,1421 979,1421 990,1410 990,1286 1012,1264 1367,1264 1372,1259 1369,1256 1369,1071 1214,1071 1078,1207 939,1207 835,1311 707.12,1311
VOUT on Top Layer "VOUT_L01_P003" (solid, pour order 3): 996,1807 878,1807 873,1812 873,1999 1098,1999 1098,1866.14 1093.86,1862 1015,1862 1015,1807 1014,1808 987,1808
GND on Top Layer "GND_L01_P002" (solid, pour order 2): 825,1628 1012.36,1621 1035.36,1619 1035.36,1631.36 1012.36,1630.36 990.36,1656.36 977.36,1675.36 839.36,1675.36 820.36,1656.36
VSTOR on Top Layer "VSTOR_L01_P001" (solid, pour order 1): 763,1601 1000,1601 1011,1590 1035,1590 1035,1580 1034,1579 992,1579 963,1553 960,1553 759,1553 759,1613 775,1613
GND on Top Layer "GND_L01_P000" (solid, pour order 0): 707,1458 746,1458 746,1547 745,1548 707,1548 707,1482 707,1458 973,1458 973,1512 1018,1557 1043,1557 1043,1648 1040,1651 1042,1653 1130,1653 1130,1566 1134,1526 1121,1559 1052,1559 1056,1559 1054,1418 1072,1400 1070,1398 1070,1296 1008,1296 1007,1295 1000,1302 1000,1430 709,1430 707,1432
GND on Int1 (GND) (split plane): 3695.77,3420.22 3696.16,3416.29 3697.3,3412.52 3699.16,3409.05 3701.66,3406 3704.71,3403.51 3708.18,3401.65 3711.95,3400.5 3715.87,3400.12 4227.68,3400.12 4231.6,3400.5 4235.37,3401.65 4238.85,3403.51 4241.89,3406 4244.39,3409.05 4246.25,3412.52 4247.39,3416.29 4247.78,3420.22 4247.78,3918.58 7042.23,3918.58 7042.23,3420.21 7042.62,3416.29 7043.76,3412.52 7045.62,3409.05 7048.12,3406 7051.16,3403.5 7054.64,3401.65 7058.41,3400.5 7062.33,3400.12 7422.74,3400.12 7422.74,-194.37 7103.08,-194.37 7099.16,-194.75 7095.39,-195.9 7091.91,-197.76 7088.87,-200.25 7086.37,-203.3 7084.51,-206.77 7083.37,-210.54 7082.98,-214.47 7082.98,-887.68 4317.45,-887.68 4317.01,-887.73 4316.58,-887.7 4315.06,-887.92 4313.53,-888.07 4313.11,-888.2 4312.68,-888.26 4311.23,-888.77 4309.76,-889.21 4309.37,-889.42 4308.96,-889.57 3801,-1126.43 3613.49,-724.31 3611.48,-720.92 3608.85,-717.99 3605.7,-715.62 3602.15,-713.92 3598.33,-712.94 3594.4,-712.73 3590.5,-713.28 3586.78,-714.59 3122.92,-930.89 3119.53,-932.9 3116.6,-935.53 3114.23,-938.68 3112.53,-942.23 3111.55,-946.05 3111.34,-949.98 3111.89,-953.88 3113.2,-957.6 3300.71,-1359.72 1137.82,-2368.29 813.55,-1672.88 497.42,-994.93 166.53,-285.34 166.53,-0.09 166.14,3.83 165,7.6 163.14,11.07 160.64,14.12 157.59,16.62 154.12,18.47 150.35,19.62 146.43,20 20.11,20 21.77,3577.94 1739.9,3577.94 1739.9,3420.22 1740.29,3416.3 1741.43,3412.53 1743.29,3409.05 1745.79,3406.01 1748.83,3403.51 1752.31,3401.65 1756.08,3400.51 1760,3400.12 2219.81,3400.12 2223.73,3400.51 2227.5,3401.65 2230.97,3403.51 2234.02,3406.01 2236.52,3409.05 2238.38,3412.53 2239.52,3416.3 2239.91,3420.22 2239.91,3918.58 3695.77,3918.58
GND on Int2 (GND) (split plane): 3695.77,3420.22 3696.16,3416.29 3697.3,3412.52 3699.16,3409.05 3701.66,3406 3704.71,3403.51 3708.18,3401.65 3711.95,3400.5 3715.87,3400.12 4227.68,3400.12 4231.6,3400.5 4235.37,3401.65 4238.85,3403.51 4241.89,3406 4244.39,3409.05 4246.25,3412.52 4247.39,3416.29 4247.78,3420.22 4247.78,3918.58 7042.23,3918.58 7042.23,3420.21 7042.62,3416.29 7043.76,3412.52 7045.62,3409.05 7048.12,3406 7051.16,3403.5 7054.64,3401.65 7058.41,3400.5 7062.33,3400.12 7422.74,3400.12 7422.74,-194.37 7103.08,-194.37 7099.16,-194.75 7095.39,-195.9 7091.91,-197.76 7088.87,-200.25 7086.37,-203.3 7084.51,-206.77 7083.37,-210.54 7082.98,-214.47 7082.98,-887.68 4317.45,-887.68 4317.01,-887.73 4316.58,-887.7 4315.06,-887.92 4313.53,-888.07 4313.11,-888.2 4312.68,-888.26 4311.23,-888.77 4309.76,-889.21 4309.37,-889.42 4308.96,-889.57 3801,-1126.43 3613.49,-724.31 3611.48,-720.92 3608.85,-717.99 3605.7,-715.62 3602.15,-713.92 3598.33,-712.94 3594.4,-712.73 3590.5,-713.28 3586.78,-714.59 3122.92,-930.89 3119.53,-932.9 3116.6,-935.53 3114.23,-938.68 3112.53,-942.23 3111.55,-946.05 3111.34,-949.98 3111.89,-953.88 3113.2,-957.6 3300.71,-1359.72 1137.82,-2368.29 813.55,-1672.88 497.42,-994.93 166.53,-285.34 166.53,-0.09 166.14,3.83 165,7.6 163.14,11.07 160.64,14.12 157.59,16.62 154.12,18.47 150.35,19.62 146.43,20 20.11,20 21.77,3581.94 1739.9,3581.94 1739.9,3420.22 1740.29,3416.3 1741.43,3412.53 1743.29,3409.05 1745.79,3406.01 1748.83,3403.51 1752.31,3401.65 1756.08,3400.51 1760,3400.12 2219.81,3400.12 2223.73,3400.51 2227.5,3401.65 2230.97,3403.51 2234.02,3406.01 2236.52,3409.05 2238.38,3412.53 2239.52,3416.3 2239.91,3420.22 2239.91,3918.58 3695.77,3918.58

## Keep-outs
Keep-Out Layer:
  lines w20: 0.01,-0.09 146.43,-0.09 146.43,-289.8 479.2,-1003.43 795.33,-1681.38 1128.1,-2395 3327.42,-1369.44 3131.41,-949.1 3595.27,-732.8 3791.28,-1153.14 4317.45,-907.78 7103.08,-907.78 7103.08,-214.47 7442.84,-214.47 7442.84,3420.21 7062.33,3420.21 7062.33,3938.68 4227.68,3938.68 4227.68,3420.22 3715.87,3420.22 3715.87,3938.68 2219.81,3938.68 2219.81,3420.22 1758,3420.22 1758,3934 1.84,3934 0.01,-0.09

## Other copper
Top Layer:
  pour cut-out: 875.21,2883.76 875.21,3169.26 1175.7,3169.26 1178.66,3166.31 1178.11,3165.76 1178.11,2871.87 887.11,2871.87
Int1 (GND) (plane layer: these items are gaps in the copper):
  region: 14,3916 1741,3916 1741,3581 14,3581
  lines w6: -5,3581 1753,3581
Int2 (GND) (plane layer: these items are gaps in the copper):
  region: 21,3917 1745,3917 1745,3588 21,3588
  lines w6: 11,3585 1760,3585

## Silkscreen, mask and mechanical layers (free items; w line width, h text height)
Top Overlay:
  text "MCU Reset" at 1394,3876 h30
  text "Temp Sensor" at 234,3313 h30
  text "SWD" at 1641,3241 h30
  text "DNP" at 335,1959 h30 r90
  text "IO exp Reset" at 1586,1049 h30 r90
  text "DNP" at 1272,752 h30 r90
Mechanical 13:
  circle w10: c4794,1531 r107.17
  circle w10: c1426,-1398 r129.63

## Text inside footprints (layer, text, board x,y; h text height)
J2: Mechanical 13 "PCB EDGE" at 9.19,930.43 h16 r270